# Altium PCB S6.PcbDoc (part 4 of 14) (continued)
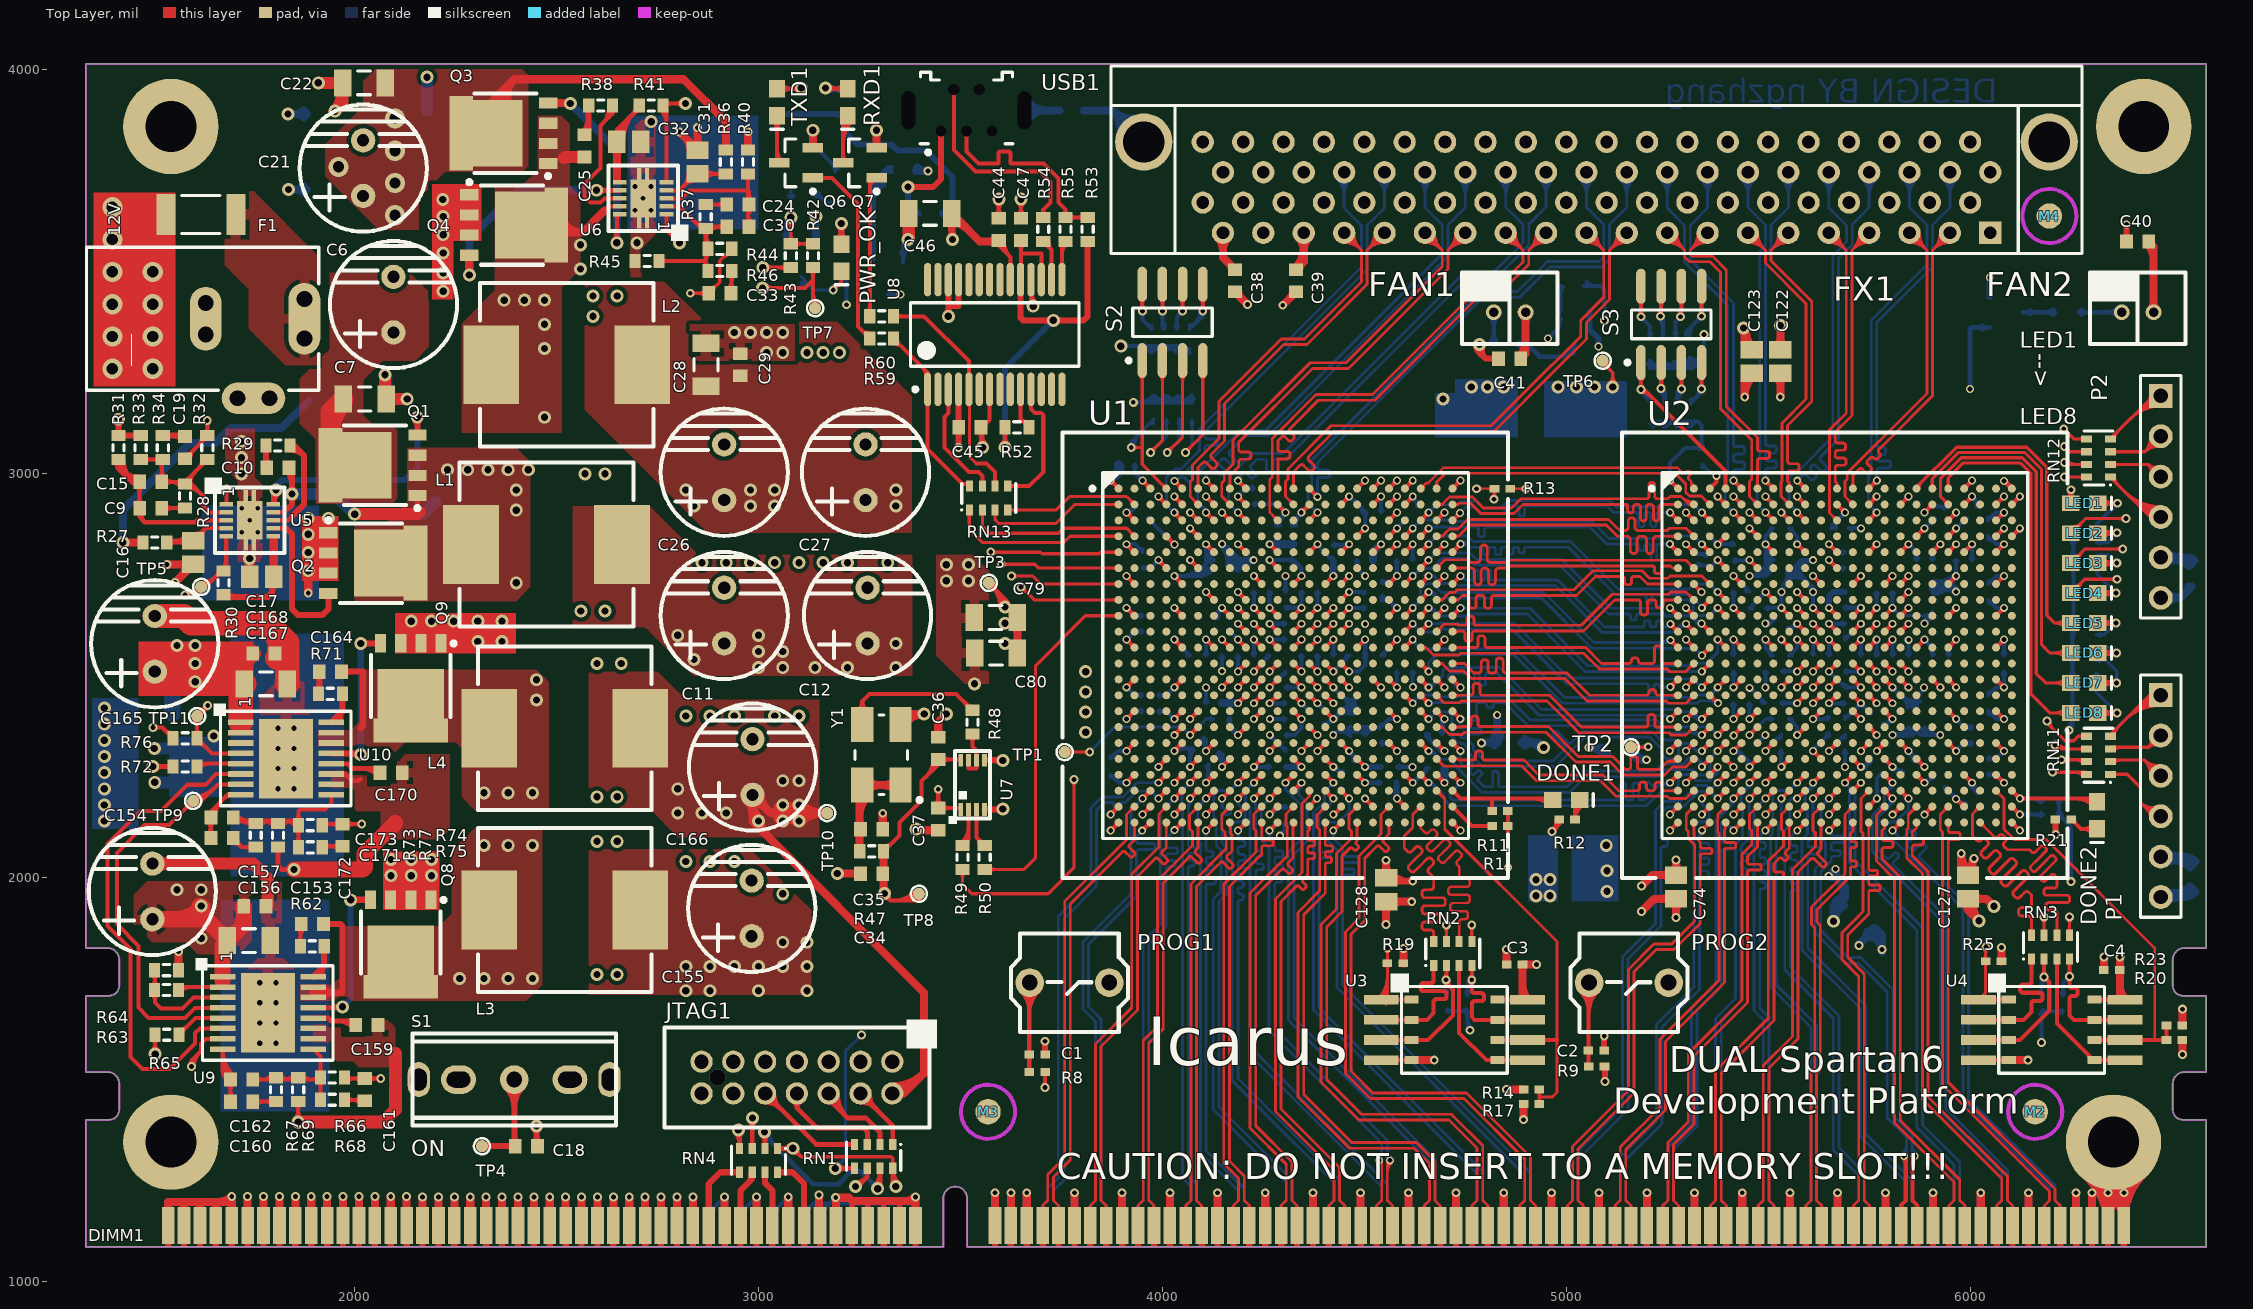
[diagram p0: Top Layer view]
## Nets (pads, with @x,y where several pads share a name; then routed paths per layer and width w, separated by ;. In a path a pad name is that pad's centre, name@x,y a point inside that pad or via, vN(x,y) a via of type N, cw(c..) or ccw(c..) an arc to the next point about the centre after c; other vN are vias at no path point) (continued)
DONE2: DONE2.1 R15.2 U2.Y22 | length 457.5
  Top Layer w10: U2.Y22@6103.39,2210.51 cw(c6103.39,2198.82) 6111.65,2207.09 cw(c6119.92,2215.35) U2.Y22@6108.23,2215.35 ; U2.Y22@6103.39,2215.35 v1(6123.07,2195.67) DONE2.1@6314,2195.67 ; v1@6118.23,2195.67 ccw(c6106.54,2195.67) 6114.81,2203.94 ccw(c6123.07,2212.2) v1@6123.07,2200.51 ; v1@6126.5,2192.24 cw(c6134.76,2183.98) 6134.76,2195.67 cw(c6134.76,2207.36) v1@6126.5,2199.09 ; 6263.49,2195.67 cw(c6263.49,2138.93) DONE2.1@6303.62,2179.05 ; 6287.64,2195.67 cw(c6287.64,2163.07) DONE2.1@6310.69,2186.12 ; 6293.6,2195.67 ccw(c6293.6,2209.83) DONE2.1@6303.62,2199.82
  Bottom Layer w10: v1(6123.07,2195.67) 6174.65,2195.67 R15.2@6180.31,2190 ; v1@6126.5,2192.24 cw(c6134.76,2183.98) 6134.76,2195.67 cw(c6134.76,2207.36) v1@6126.5,2199.09 ; 6152.97,2195.67 cw(c6152.97,2164.62) R15.2@6174.92,2186.58
FANEN: Q11.3 Q12.1 Q13.1 R81.2 | length 3385
  Mid-Layer 3 w10: v1(3351.34,3443.66) 3623.66,3443.66 3640,3460 4115,3460 4239.53,3335.47 4763.7,3335.47 4774.23,3346 4795.77,3346 4806.3,3335.47 5099.17,3335.47 5184.64,3250 5980,3250 6000,3230 v1(6000,3210) ; v1@3354.76,3440.24 cw(c3363.03,3431.97) 3363.03,3443.66 cw(c3363.03,3455.35) v1@3354.76,3447.09 ; 4941.79,3335.47 cw(c4941.79,3321.79) v7@4951.46,3331.46 ; 4944.07,3335.47 ccw(c4944.07,3345.93) v7@4951.46,3338.54 ; v7@4958.54,3331.46 cw(c4968.21,3321.79) 4968.21,3335.47 ; v7@4958.54,3338.54 ccw(c4965.93,3345.93) 4965.93,3335.47 ; v1@5996.58,3213.42 ccw(c5988.31,3221.69) 6000,3221.69 ccw(c6011.69,3221.69) v1@6003.42,3213.42
  Bottom Layer w10: Q11.3@3320,3443.66 v1(3351.34,3443.66) ; Q11.3@3324.82,3438.85 cw(c3336.44,3427.22) 3336.44,3443.66 cw(c3336.44,3460.1) Q11.3@3324.82,3448.48 ; v1@3347.91,3440.24 ccw(c3339.65,3431.97) 3339.65,3443.66 ccw(c3339.65,3455.35) v1@3347.91,3447.09 ; v7(4955,3335) 4982.6,3362.6 Q12.1@4982.6,3401.34 ; v7@4955,3340 ccw(c4955,3352.07) 4963.54,3343.54 ccw(c4972.07,3335) v7@4960,3335 ; Q12.1@4977.78,3382.74 cw(c4966.16,3371.12) 4982.6,3371.12 cw(c4999.04,3371.12) Q12.1@4987.41,3382.74 ; Q12.1@4977.78,3419.93 ccw(c4959.22,3438.5) 4985.47,3438.5 ; R81.2@4979.26,3462.86 cw(c4964.28,3447.87) 4985.47,3447.87 cw(c5006.67,3447.87) R81.2@4991.68,3462.86 ; Q12.1@4985.47,3404.21 R81.2@4985.47,3465
  Bottom Layer w12: v1(6000,3210) 6000,3360 ; 6002.6,3362.6 Q13.1@6048.66,3362.6 ; Q13.1@6030.77,3358.49 ccw(c6020.85,3348.57) 6020.85,3362.6 ccw(c6020.85,3376.63) Q13.1@6030.77,3366.71
FPGA1_B1_1: RN12.5 U1.E1 | length 3386.3
  Top Layer w8: v3(3575,2806) 3698,2806 3702,2802 3843.09,2802 3847,2805.91 U1.E1@3891.61,2805.91 ; v3@3579.95,2801.05 cw(c3591.9,2789.1) 3591.9,2806 cw(c3591.9,2822.9) v3@3579.95,2810.95 ; U1.E1@3887.48,2801.77 ccw(c3877.51,2791.8) 3877.51,2805.91 ccw(c3877.51,2820.01) U1.E1@3887.48,2810.04 ; v3@6232,3104 cw(c6232,3087.1) 6243.95,3099.05 cw(c6255.9,3111) v3@6239,3111 ; v3(6232,3111) 6256.76,3086.24 RN12.5@6288.47,3086.24 ; RN12.5@6280.12,3082.81 ccw(c6271.82,3074.52) 6271.82,3086.24 ccw(c6271.82,3097.97) RN12.5@6280.12,3089.68
  Mid-Layer 3 w8: v3@3570.05,2810.95 ccw(c3558.1,2822.9) 3575,2822.9 ccw(c3591.9,2822.9) v3@3579.95,2810.95 ; v3(3575,2806) 3575,2864 3865,3154 ; 3865,3153 6189,3153 ; 6189,3154 v3(6232,3111) ; v3@6225,3111 ccw(c6208.1,3111) 6220.05,3122.95 ccw(c6232,3134.9) v3@6232,3118
FPGA1_B1_1_N: U1.B22 U2.B1 | length 794.7
  Top Layer w7: U1.B22@4718.39,2924.02 4732,2924.02 ; U1.B22@4723.24,2919.94 cw(c4732,2912.58) 4732,2924.02 ; U1.B22@4723.24,2928.1 ccw(c4732,2935.45) 4732,2924.02 ; U2.B1@5272.13,2919.53 ccw(c5261.3,2908.7) 5261.3,2924.02 ccw(c5261.3,2939.33) U2.B1@5272.13,2928.5 ; U2.B1@5276.61,2924.02 5237,2924.02 ccw(c5237,2917.02) 5230,2917.02 5230,2890.02 cw(c5223,2890.02) 5223,2883.02 cw(c5223,2890.02) 5216,2890.02 5216,2917.02 ccw(c5209,2917.02) 5209,2924.02 5205,2924.02 ccw(c5205,2917.02) 5198,2917.02 5198,2890.02 cw(c5191,2890.02) 5191,2883.02 cw(c5191,2890.02) 5184,2890.02 5184,2917.02 ccw(c5177,2917.02) 5177,2924.02 5173,2924.02 ccw(c5173,2917.02) 5166,2917.02 5166,2910.02 cw(c5159,2910.02) 5159,2903.02 cw(c5159,2910.02) 5152,2910.02 5152,2920.02 ccw(c5148,2920.02) 5148,2924.02 4893.02,2924.02 4871,2902 4870.5,2901.5 4788.7,2901.5 4788.2,2902 4763.1,2927.1 4735.08,2927.1 4732,2924.02
FPGA1_B1_1_P: U1.B21 U2.B2 | length 843.7
  Top Layer w6: U2.B2@5311.43,2924.02 U2.B2@5315.98,2924.02
  Top Layer w7: U1.B21@4679.02,2924.02 4693,2924.02 ; U1.B21@4683.79,2919.84 cw(c4693,2911.77) 4693,2924.02 ; U1.B21@4683.79,2928.19 ccw(c4693,2936.26) 4693,2924.02 ; 5284.67,2943.33 ccw(c5315.98,2974.64) U2.B2@5315.98,2930.36 ; 5296.62,2931.38 ccw(c5315.98,2950.74) U2.B2@5315.98,2923.36 ; U2.B2@5310.74,2920.44 ccw(c5303.98,2915.84) 5303.98,2924.02 ; U2.B2@5310.74,2927.59 cw(c5303.98,2932.2) 5303.98,2924.02 ; U2.B2@5315.98,2924.02 5303.98,2924.02 ; 4693,2924.02 4700.04,2931.06 4700.04,2931.61 4710.79,2942.36 4767.64,2942.36 4794.5,2915.5 4864.7,2915.5 4887.22,2938.02 5198,2938.02 ccw(c5198,2945.02) 5205,2945.02 5205,2972.02 cw(c5212,2972.02) 5212,2979.02 cw(c5212,2972.02) 5219,2972.02 5219,2945.02 ccw(c5226,2945.02) 5226,2938.02 5251,2938.02 5256.98,2944 5284,2944 5303.98,2924.02
FPGA1_B1_2: RN12.6 U1.F1 | length 3355.1
  Top Layer w8: v3(3601,2776) 3684,2776 3693.46,2766.54 U1.F1@3891.61,2766.54 ; v3@3605.95,2771.05 cw(c3617.9,2759.1) 3617.9,2776 cw(c3617.9,2792.9) v3@3605.95,2780.95 ; U1.F1@3887.48,2762.4 ccw(c3877.51,2752.43) 3877.51,2766.54 ccw(c3877.51,2780.64) U1.F1@3887.48,2770.67 ; v3@6233,3061 cw(c6233,3044.1) 6244.95,3056.05 cw(c6256.9,3068) v3@6240,3068 ; v3(6233,3068) 6246.25,3054.75 RN12.6@6288.47,3054.75 ; RN12.6@6280.12,3051.31 ccw(c6271.82,3043.02) 6271.82,3054.75 ccw(c6271.82,3066.48) RN12.6@6280.12,3058.18
  Mid-Layer 3 w8: v3@3596.05,2780.95 ccw(c3584.1,2792.9) 3601,2792.9 ccw(c3617.9,2792.9) v3@3605.95,2780.95 ; v3(3601,2776) 3601,2856.06 3876.94,3132 6169,3132 v3(6233,3068) ; v3@6226,3068 ccw(c6209.1,3068) 6221.05,3079.95 ccw(c6233,3091.9) v3@6233,3075
FPGA1_B1_2_N: U1.A21 U2.B3 | length 793.7
  Top Layer w7: U1.A21@4674.53,2967.87 ccw(c4663.7,2978.7) 4679.02,2978.7 ccw(c4694.33,2978.7) U1.A21@4683.5,2967.87 ; U1.A21@4679.02,2963.39 4679.02,2979.02 4701.41,3001.41 5249.33,3001.41 5269.59,3001.41 5296,2975 5296,2954 5304.96,2945.04 5334.33,2945.04 U2.B3@5355.35,2924.02 ; U2.B3@5349.01,2924.02 ccw(c5333.7,2924.02) 5344.53,2934.84 ccw(c5355.35,2945.67) U2.B3@5355.35,2930.36
FPGA1_B1_2_P: U1.A20 U2.A2 | length 797.1
  Top Layer w6: U1.A20@4639.65,2963.39 4653.26,2977 4657.91,2977 4669.47,2988.56 4695.82,3014.91 5249.33,3014.91 5260,3014.91 5275.18,3014.91 5287.55,3002.55 ccw(c5291.36,3006.36) 5295.18,3002.55 5297.79,3005.15 cw(c5301.6,3001.33) 5305.42,3005.15 5306.27,3004.3 cw(c5302.45,3000.48) 5306.27,2996.66 5303.67,2994.06 ccw(c5307.49,2990.24) 5303.67,2986.42 5304.09,2986 5309.5,2980.59 ; U1.A20@4639.65,2970.23 ccw(c4639.65,2986.75) 4651.33,2975.07 ccw(c4663.01,2963.39) U1.A20@4646.49,2963.39 ; 5309.5,2972.84 ccw(c5318.43,2972.84) U2.A2@5316.19,2964.2 ; U2.A2@5315.98,2963.39 5309.5,2969.87 5309.5,2980.59 ; U2.A2@5317.7,2970.01 cw(c5320.43,2980.59) 5309.5,2980.59
FPGA1_B1_3: RN12.7 U1.G1 | length 3328.3
  Top Layer w8: v3(3626,2747) 3679,2747 3698.83,2727.17 U1.G1@3891.61,2727.17 ; v3@3630.95,2742.05 cw(c3642.9,2730.1) 3642.9,2747 cw(c3642.9,2763.9) v3@3630.95,2751.95 ; U1.G1@3887.48,2723.03 ccw(c3877.51,2713.06) 3877.51,2727.17 ccw(c3877.51,2741.27) U1.G1@3887.48,2731.3 ; v3(6234,3028) 6238.75,3023.25 RN12.7@6288.47,3023.25 ; v3@6238.95,3032.95 ccw(c6262.36,3056.36) 6262.36,3023.25 ; RN12.7@6280.12,3019.82 ccw(c6271.82,3011.52) 6271.82,3023.25 ccw(c6271.82,3034.98) RN12.7@6280.12,3026.69
  Mid-Layer 3 w8: v3@3621.05,2751.95 ccw(c3609.1,2763.9) 3626,2763.9 ccw(c3642.9,2763.9) v3@3630.95,2751.95 ; v3(3626,2747) 3626,2847.12 3889.88,3111 6151,3111 v3(6234,3028) ; v3@6227,3028 ccw(c6210.1,3028) 6222.05,3039.95 ccw(c6234,3051.9) v3@6234,3035
FPGA1_B1_3_N: U1.D20 U2.E1 | length 927
  Top Layer w10: U1.D20@4639.65,2845.28 v1(4659.33,2864.96) ; U1.D20@4639.65,2850.12 ccw(c4639.65,2861.81) 4647.91,2853.54 ccw(c4656.18,2845.28) U1.D20@4644.49,2845.28 ; v1@4654.49,2864.96 cw(c4642.8,2864.96) 4651.06,2856.69 cw(c4659.33,2848.43) v1@4659.33,2860.12 ; v1@5256.52,2821.16 cw(c5256.52,2809.47) 5264.79,2817.73 cw(c5273.05,2826) v1@5261.36,2826 ; v1(5256.52,2826) U2.E1@5276.61,2805.91 ; U2.E1@5271.77,2805.91 ccw(c5260.08,2805.91) 5268.35,2814.17 ccw(c5276.61,2822.44) U2.E1@5276.61,2810.75
  Bottom Layer w7: v1(4659.33,2864.96) 4662.47,2868.1 4711.9,2868.1 4776,2868.1 4778.1,2868.1 cw(c4778.1,2863.2) 4783,2863.2 4783,2848.9 ccw(c4787.9,2848.9) 4787.9,2844 4792.1,2844 ccw(c4792.1,2848.9) 4797,2848.9 4797,2863.2 cw(c4801.9,2863.2) 4801.9,2868.1 4809,2868.1 5058.1,2868.1 5100.2,2826 5160,2826 5175.1,2826 cw(c5175.1,2821.1) 5180,2821.1 5180,2814.98 ccw(c5184.9,2814.98) 5184.9,2810.08 5189.1,2810.08 ccw(c5189.1,2814.98) 5194,2814.98 5194,2821.1 cw(c5198.9,2821.1) 5198.9,2826 5201,2826 5205.1,2826 cw(c5205.1,2821.1) 5210,2821.1 5210,2789.9 ccw(c5214.9,2789.9) 5214.9,2785 5219.1,2785 ccw(c5219.1,2789.9) 5224,2789.9 5224,2821.1 cw(c5228.9,2821.1) 5228.9,2826 5231,2826 5237.34,2826 v1(5256.52,2826) ; v1@4663.82,2860.48 cw(c4682.22,2842.07) 4682.22,2868.1 ; v1@5252.03,2821.52 ccw(c5241.21,2810.69) 5241.21,2826 ccw(c5241.21,2841.31) v1@5252.03,2830.48
FPGA1_B1_3_P: U1.D19 U2.E3 | length 931.4
  Top Layer w10: U1.D19@4600.28,2845.28 v1(4619.96,2864.96) ; U1.D19@4600.28,2850.12 ccw(c4600.28,2861.81) 4608.54,2853.54 ccw(c4616.81,2845.28) U1.D19@4605.12,2845.28 ; v1@4615.12,2864.96 cw(c4603.43,2864.96) 4611.69,2856.69 cw(c4619.96,2848.43) v1@4619.96,2860.12 ; v1@5335.67,2820.75 cw(c5335.67,2809.06) 5343.94,2817.32 cw(c5352.2,2825.59) v1@5340.51,2825.59 ; v1(5335.67,2825.59) U2.E3@5355.35,2805.91 ; U2.E3@5350.51,2805.91 ccw(c5338.82,2805.91) 5347.09,2814.17 ccw(c5355.35,2822.44) U2.E3@5355.35,2810.75
  Bottom Layer w7: v1(4619.96,2864.96) 4640.3,2885.3 4708.7,2885.3 4711.9,2882.1 4801.9,2882.1 4809,2882.1 5063.9,2882.1 5074,2872 5106,2840 5231,2840 5237.34,2846.34 5256.52,2846.34 5314.92,2846.34 v1(5335.67,2825.59) ; v1@4619.96,2871.3 ccw(c4619.96,2886.62) 4630.79,2875.79 ccw(c4641.62,2864.96) v1@4626.3,2864.96 ; v1@5329.33,2825.59 ccw(c5314.01,2825.59) 5324.84,2836.42 ccw(c5335.67,2847.25) v1@5335.67,2831.93
FPGA1_B1_4: RN12.8 U1.H1 | length 3302.8
  Top Layer w8: v3@3650,2713 cw(c3650,2696.1) 3661.95,2708.05 cw(c3673.9,2720) v3@3657,2720 ; v3(3650,2720) 3682.2,2687.8 U1.H1@3891.61,2687.8 ; U1.H1@3887.48,2683.66 ccw(c3877.51,2673.69) 3877.51,2687.8 ccw(c3877.51,2701.9) U1.H1@3887.48,2691.93 ; v3(6234,2992) 6288.23,2992 RN12.8@6288.47,2991.76 ; v3@6238.95,2987.05 cw(c6250.9,2975.1) 6250.9,2992 cw(c6250.9,3008.9) v3@6238.95,2996.95 ; 6271.23,2992 cw(c6271.23,2979.44) RN12.8@6280.12,2988.32 ; 6272.41,2992 ccw(c6272.41,3002.9) RN12.8@6280.12,2995.19
  Mid-Layer 3 w8: v3@3645.05,2724.95 ccw(c3633.1,2736.9) 3650,2736.9 ccw(c3666.9,2736.9) v3@3654.95,2724.95 ; v3(3650,2720) 3650,2837.18 3902.82,3090 6133,3090 6231,2992 v3(6234,2992) ; 6216.93,3006.07 ccw(c6234,3023.14) v3@6234,2999 ; 6224.17,2998.83 cw(c6217.34,2992) v3@6227,2992
FPGA1_B1_4_N: U1.D22 U2.D1 | length 770.5
  Top Layer w7: U1.D22@4718.39,2845.28 4733.28,2845.28 4761,2873 5099.2,2873 5126.93,2845.28 5133,2845.28 5150,2845.28 cw(c5150,2836.78) 5158.5,2836.78 5158.5,2810.78 ccw(c5167,2810.78) 5167,2802.28 ccw(c5167,2810.78) 5175.5,2810.78 5175.5,2836.78 cw(c5184,2836.78) 5184,2845.28 5190,2845.28 cw(c5190,2836.78) 5198.5,2836.78 5198.5,2811.08 ccw(c5207,2811.08) 5207,2802.58 ccw(c5207,2811.08) 5215.5,2811.08 5215.5,2836.78 cw(c5224,2836.78) 5224,2845.28 U2.D1@5276.61,2845.28 ; U1.D22@4722.96,2840.88 cw(c4733.27,2830.97) 4733.27,2845.28 cw(c4733.27,2859.58) U1.D22@4722.96,2849.67 ; U2.D1@5272.13,2840.79 ccw(c5261.3,2829.96) 5261.3,2845.28 ccw(c5261.3,2860.59) U2.D1@5272.13,2849.76
FPGA1_B1_4_P: U1.D21 U2.D2 | length 770.7
  Top Layer w7: U1.D21@4679.02,2845.28 4693,2845.28 ; U1.D21@4683.79,2841.1 cw(c4693,2833.03) 4693,2845.28 ; U1.D21@4683.79,2849.45 ccw(c4693,2857.52) 4693,2845.28 ; U2.D2@5309.64,2845.28 ccw(c5294.33,2845.28) 5305.16,2856.1 ccw(c5315.98,2866.93) U2.D2@5315.98,2851.62 ; U2.D2@5315.98,2845.28 5296.26,2865 5255.72,2865 5250,2859.28 5179,2859.28 cw(c5179,2867.78) 5170.5,2867.78 5170.5,2882.68 ccw(c5162,2882.68) 5162,2891.18 ccw(c5162,2882.68) 5153.5,2882.68 5153.5,2867.78 cw(c5145,2867.78) 5145,2859.28 5136.5,2859.28 5132.72,2859.28 5121,2871 5105,2887 4755.2,2887 4739.2,2871 4731.82,2863.62 4710.79,2863.62 4700.04,2852.87 4700.04,2852.32 4693,2845.28
FPGA1_B1_5_N: U1.C22 U2.C1 | length 887.6
  Top Layer w10: U1.C22@4718.39,2884.65 v1(4736.74,2903) ; U1.C22@4718.39,2889.49 ccw(c4718.39,2901.18) 4726.65,2892.91 ccw(c4734.92,2884.65) U1.C22@4723.23,2884.65 ; v1@4731.9,2903 cw(c4720.21,2903) 4728.47,2894.73 cw(c4736.74,2886.47) v1@4736.74,2898.16 ; v1@5257.26,2899.16 cw(c5257.26,2887.47) 5265.53,2895.73 cw(c5273.79,2904) v1@5262.1,2904 ; v1(5257.26,2904) U2.C1@5276.61,2884.65 ; U2.C1@5271.77,2884.65 ccw(c5260.08,2884.65) 5268.35,2892.91 ccw(c5276.61,2901.18) U2.C1@5276.61,2889.49
  Bottom Layer w7: v1(4736.74,2903) 4751.74,2918 4773.2,2918 4790.2,2901 4842.8,2901 4861.9,2920.1 4868.9,2920.1 4878,2920.1 cw(c4878,2915.2) 4882.9,2915.2 4882.9,2900.22 ccw(c4887.8,2900.22) 4887.8,2895.32 4892,2895.32 ccw(c4892,2900.22) 4896.9,2900.22 4896.9,2915.2 cw(c4901.8,2915.2) 4901.8,2920.1 4932,2920.1 5100.9,2920.1 5117,2904 5174.1,2904 cw(c5174.1,2899.1) 5179,2899.1 5179,2873.9 ccw(c5183.9,2873.9) 5183.9,2869 5188.1,2869 ccw(c5188.1,2873.9) 5193,2873.9 5193,2899.1 cw(c5197.9,2899.1) 5197.9,2904 5204.1,2904 cw(c5204.1,2899.1) 5209,2899.1 5209,2873.9 ccw(c5213.9,2873.9) 5213.9,2869 5218.1,2869 ccw(c5218.1,2873.9) 5223,2873.9 5223,2899.1 cw(c5227.9,2899.1) 5227.9,2904 v1(5257.26,2904) ; v1@4736.74,2909.34 ccw(c4736.74,2924.65) 4747.57,2913.83 ccw(c4758.39,2903) v1@4743.08,2903 ; v1@5252.78,2899.52 ccw(c5241.95,2888.69) 5241.95,2904 ccw(c5241.95,2919.31) v1@5252.78,2908.48
FPGA1_B1_5_P: U1.C20 U2.C3 | length 897.6
  Top Layer w10: U1.C20@4639.65,2884.65 v1(4659.33,2904.33) ; U1.C20@4639.65,2889.49 ccw(c4639.65,2901.18) 4647.91,2892.91 ccw(c4656.18,2884.65) U1.C20@4644.49,2884.65 ; v1@4654.49,2904.33 cw(c4642.8,2904.33) 4651.06,2896.06 cw(c4659.33,2887.8) v1@4659.33,2899.49 ; v1@5335.67,2899.49 cw(c5335.67,2887.8) 5343.94,2896.06 cw(c5352.2,2904.33) v1@5340.51,2904.33 ; v1(5335.67,2904.33) U2.C3@5355.35,2884.65 ; U2.C3@5350.51,2884.65 ccw(c5338.82,2884.65) 5347.09,2892.91 ccw(c5355.35,2901.18) U2.C3@5355.35,2889.49
  Bottom Layer w7: v1(4659.33,2904.33) 4678.34,2923.34 4730.34,2923.34 4739,2932 4779,2932 4796,2915 4837,2915 4852,2930 4856.1,2934.1 4901.8,2934.1 4932,2934.1 5106.7,2934.1 5110.8,2930 5122.8,2918 5174.1,2918 5230,2918 5236.34,2924.34 5315.66,2924.34 v1(5335.67,2904.33) ; v1@4659.33,2910.67 ccw(c4659.33,2925.99) 4670.16,2915.16 ccw(c4680.99,2904.33) v1@4665.67,2904.33 ; v1@5329.33,2904.33 ccw(c5314.01,2904.33) 5324.84,2915.16 ccw(c5335.67,2925.99) v1@5335.67,2910.67
FPGA1_B1_6_N: U1.F20 U2.J4 | length 999.7
  Top Layer w10: U1.F20@4639.65,2766.54 v1@4659.33,2786.22 ; U1.F20@4639.65,2771.38 ccw(c4639.65,2783.07) 4647.91,2774.8 ccw(c4656.18,2766.54) U1.F20@4644.49,2766.54 ; 4650.66,2777.55 ccw(c4642.2,2786) v1@4654.16,2786 ; 4650.92,2777.81 cw(c4659,2769.73) v1@4659,2781.16 ; v1@5375.04,2663.27 cw(c5375.04,2651.58) 5383.31,2659.84 cw(c5391.57,2668.11) v1@5379.88,2668.11 ; v1(5375.04,2668.11) U2.J4@5394.72,2648.43 ; U2.J4@5389.88,2648.43 ccw(c5378.19,2648.43) 5386.46,2656.69 ccw(c5394.72,2664.96) U2.J4@5394.72,2653.27
  Bottom Layer w7: v1(4659,2786) 4677,2804 4762,2804 4778,2788 4989,2788 5110,2667 5226,2667 5247,2688 5302.35,2688 5314.64,2675.71 5314.64,2659.16 5324.46,2649.34 5356.27,2649.34 v1(5375.04,2668.11) ; v1@4659,2792.34 ccw(c4659,2807.65) 4669.83,2796.83 ccw(c4680.65,2786) v1@4665.34,2786 ; v1@5368.7,2668.11 cw(c5353.38,2668.11) 5364.21,2657.28 cw(c5375.04,2646.46) v1@5375.04,2661.77
FPGA1_B1_6_P: U1.G19 U2.K3 | length 1032.8
  Top Layer w10: U1.G19@4600.28,2727.17 v1(4619.96,2746.85) ; U1.G19@4600.28,2732.01 ccw(c4600.28,2743.7) 4608.54,2735.43 ccw(c4616.81,2727.17) U1.G19@4605.12,2727.17 ; v1@4615.12,2746.85 cw(c4603.43,2746.85) 4611.69,2738.58 cw(c4619.96,2730.32) v1@4619.96,2742.01 ; v1@5335,2624.16 cw(c5335,2611.48) 5343.97,2620.44 ; v1(5335,2629) 5335.41,2629 U2.K3@5355.35,2609.06 ; v1@5339.84,2629 ccw(c5350.54,2629) 5342.98,2621.43 ; U2.K3@5350.51,2609.06 ccw(c5338.82,2609.06) 5347.09,2617.32 ccw(c5355.35,2625.59) U2.K3@5355.35,2613.9
  Bottom Layer w7: v1(4619.96,2746.85) 4638.77,2765.66 4667.43,2765.66 4691.77,2790 4756.2,2790 4772.2,2774 4983.2,2774 5088.2,2669 5104.2,2653 5142,2653 5154.1,2653 cw(c5154.1,2648.1) 5159,2648.1 5159,2642.72 ccw(c5163.9,2642.72) 5163.9,2637.82 5168.1,2637.82 ccw(c5168.1,2642.72) 5173,2642.72 5173,2648.1 cw(c5177.9,2648.1) 5177.9,2653 ; v1@4619.96,2753.19 ccw(c4619.96,2768.51) 4630.79,2757.68 ccw(c4641.62,2746.85) v1@4626.3,2746.85 ; 5180,2653 5240,2653 5245,2648 5306,2648 5325,2629 ; 5307.1,2646.9 ccw(c5335,2674.8) v1@5335,2635.34 ; 5319.05,2634.95 ccw(c5335,2650.9) v1@5335,2628.34 ; v1@5329.26,2626.3 ccw(c5325,2624.29) 5325,2629 ; v1@5329.26,2631.7 cw(c5325,2633.71) 5325,2629 ; v1(5335,2629) 5325,2629
FPGA1_B1_7_N: U1.E22 U2.H3 | length 998.4
  Top Layer w10: U1.E22@4718.39,2805.91 v1(4738.48,2826) ; U1.E22@4718.39,2810.75 ccw(c4718.39,2822.44) 4726.65,2814.17 ccw(c4734.92,2805.91) U1.E22@4723.23,2805.91 ; v1@4733.64,2826 cw(c4721.95,2826) 4730.21,2817.73 cw(c4738.48,2809.47) v1@4738.48,2821.16 ; v1(5335.67,2668.11) U2.H3@5355.35,2687.8 ; v1@5335.67,2672.95 ccw(c5335.67,2684.64) 5343.94,2676.38 ccw(c5352.2,2668.11) v1@5340.51,2668.11 ; U2.H3@5350.51,2687.8 cw(c5338.82,2687.8) 5347.09,2679.53 cw(c5355.35,2671.26) U2.H3@5355.35,2682.95
  Bottom Layer w7: v1@4734.5,2832.54 cw(c4741.32,2821.33) 4750.59,2830.61 ; v1@4738.14,2826.56 cw(c4746.08,2813.49) 4756.9,2824.3 ; v1(4738.48,2826) 4744.48,2832 4749.2,2832 4763.2,2818 ; v1@4741.77,2820.58 cw(c4750.84,2805.64) 4763.2,2818 ; v1(5335.67,2668.11) 5335.67,2671.65 5306.32,2701 5216.9,2701 ccw(c5216.9,2696.1) 5212,2696.1 5212,2683.9 cw(c5207.1,2683.9) 5207.1,2679 5202.9,2679 cw(c5202.9,2683.9) 5198,2683.9 5198,2696.1 ccw(c5193.1,2696.1) 5193.1,2701 5122.2,2701 5005.2,2818 4924,2818 4900.9,2818 ccw(c4900.9,2813.1) 4896,2813.1 4896,2808.9 cw(c4891.1,2808.9) 4891.1,2804 4886.9,2804 cw(c4886.9,2808.9) 4882,2808.9 4882,2813.1 ccw(c4877.1,2813.1) 4877.1,2818 4875,2818 4872.9,2818 ccw(c4872.9,2813.1) 4868,2813.1 4868,2804.9 cw(c4863.1,2804.9) 4863.1,2800 4858.9,2800 cw(c4858.9,2804.9) 4854,2804.9 4854,2813.1 ccw(c4849.1,2813.1) 4849.1,2818 4847,2818 4842.9,2818 ccw(c4842.9,2813.1) 4838,2813.1 4838,2804.9 cw(c4833.1,2804.9) 4833.1,2800 4828.9,2800 cw(c4828.9,2804.9) 4824,2804.9 4824,2813.1 ccw(c4819.1,2813.1) 4819.1,2818 4817,2818 4812.9,2818 ccw(c4812.9,2813.1) 4808,2813.1 4808,2804.9 cw(c4803.1,2804.9) 4803.1,2800 4798.9,2800 cw(c4798.9,2804.9) 4794,2804.9 4794,2813.1 ccw(c4789.1,2813.1) 4789.1,2818 4787,2818 4763.2,2818
FPGA1_B1_7_P: U1.E20 U2.H4 | length 977
  Top Layer w10: U1.E20@4639.65,2805.91 v1(4659.33,2825.59) ; U1.E20@4639.65,2810.75 ccw(c4639.65,2822.44) 4647.91,2814.17 ccw(c4656.18,2805.91) U1.E20@4644.49,2805.91 ; v1@4654.49,2825.59 cw(c4642.8,2825.59) 4651.06,2817.32 cw(c4659.33,2809.06) v1@4659.33,2820.75 ; v1@5375.04,2702.64 cw(c5375.04,2690.95) 5383.31,2699.21 cw(c5391.57,2707.48) v1@5379.88,2707.48 ; v1(5375.04,2707.48) U2.H4@5394.72,2687.8 ; U2.H4@5389.88,2687.8 ccw(c5378.19,2687.8) 5386.46,2696.06 ccw(c5394.72,2704.33) U2.H4@5394.72,2692.64
  Bottom Layer w7: v1(4659.33,2825.59) 4680.08,2846.34 4754.66,2846.34 4755,2846 ; v1@4659.33,2831.93 ccw(c4659.33,2847.25) 4670.16,2836.42 ccw(c4680.99,2825.59) v1@4665.67,2825.59 ; 4747,2846 4755,2846 ; v1@5368.7,2707.48 ccw(c5353.38,2707.48) 5364.21,2718.31 ccw(c5375.04,2729.13) v1@5375.04,2713.82 ; v1(5375.04,2707.48) 5355.52,2727 5316,2727 5304,2715 5128,2715 5023,2820 5011,2832 4803.1,2832 4798.9,2832 4769,2832 4755,2846
FPGA1_B1_8_N: U1.F22 U2.F1 | length 772.6
  Top Layer w7: U1.F22@4718.39,2766.54 4764,2766.54 cw(c4764,2758.04) 4772.5,2758.04 4772.5,2733.5 ccw(c4781,2733.5) 4781,2725 ccw(c4781,2733.5) 4789.5,2733.5 4789.5,2758.04 cw(c4798,2758.04) 4798,2766.54 4799,2766.54 cw(c4799,2758.04) 4807.5,2758.04 4807.5,2733.5 ccw(c4816,2733.5) 4816,2725 ccw(c4816,2733.5) 4824.5,2733.5 4824.5,2758.04 cw(c4833,2758.04) 4833,2766.54 4856.8,2766.54 4862.26,2772 5203,2772 5213.4,2772 cw(c5213.4,2766.9) 5218.5,2766.9 5218.5,2758.26 ccw(c5223.6,2758.26) 5223.6,2753.16 5230.4,2753.16 ccw(c5230.4,2758.26) 5235.5,2758.26 5235.5,2766.9 cw(c5240.6,2766.9) 5240.6,2772 5244,2772 5257.54,2772 5263,2766.54 ; U1.F22@4722.87,2762.05 cw(c4733.7,2751.22) 4733.7,2766.54 cw(c4733.7,2781.85) U1.F22@4722.87,2771.02 ; U2.F1@5271.76,2762.46 ccw(c5263,2755.1) 5263,2766.54 ; U2.F1@5271.76,2770.62 cw(c5263,2777.97) 5263,2766.54 ; U2.F1@5276.61,2766.54 5263,2766.54
FPGA1_B1_8_P: U1.F21 U2.F2 | length 778.4
  Top Layer w7: U1.F21@4679.02,2766.54 4699.48,2787 4756.54,2787 4763,2780.54 4779,2780.54 ccw(c4779,2789.04) 4787.5,2789.04 4787.5,2815.04 cw(c4796,2815.04) 4796,2823.54 cw(c4796,2815.04) 4804.5,2815.04 4804.5,2788.04 ccw(c4812,2788.04) 4812,2780.54 4851,2780.54 4856.46,2786 5296.52,2786 U2.F2@5315.98,2766.54 ; U1.F21@4679.02,2772.88 ccw(c4679.02,2788.19) 4689.84,2777.36 ccw(c4700.67,2766.54) U1.F21@4685.36,2766.54 ; U2.F2@5309.64,2766.54 ccw(c5294.33,2766.54) 5305.16,2777.36 ccw(c5315.98,2788.19) U2.F2@5315.98,2772.88
FPGA1_B1_9_N: U1.J19 U2.L1 | length 937
  Top Layer w10: U1.J19@4600.28,2648.43 v1(4619.96,2668.11) ; U1.J19@4600.28,2653.27 ccw(c4600.28,2664.96) 4608.54,2656.69 ccw(c4616.81,2648.43) U1.J19@4605.12,2648.43 ; v1@4615.12,2668.11 cw(c4603.43,2668.11) 4611.69,2659.84 cw(c4619.96,2651.58) v1@4619.96,2663.27 ; v1@5258.3,2583.16 cw(c5258.3,2571.47) 5266.57,2579.73 cw(c5274.83,2588) v1@5263.14,2588 ; v1(5258.3,2588) U2.L1@5276.61,2569.69 ; U2.L1@5271.77,2569.69 ccw(c5260.08,2569.69) 5268.35,2577.95 ccw(c5276.61,2586.22) U2.L1@5276.61,2574.53
  Bottom Layer w7: v1(4619.96,2668.11) 4638.99,2687.14 4638.99,2715.91 4650.9,2727.82 4669.18,2727.82 4691,2706 4945,2706 5069,2582 5252.3,2582 v1(5258.3,2588) ; v1@4619.96,2674.45 ccw(c4619.96,2689.76) 4630.79,2678.94 ccw(c4641.62,2668.11) v1@4626.3,2668.11 ; 5228.5,2582 ccw(c5228.5,2617.8) v1@5253.81,2592.48 ; 5245.4,2582 ccw(c5245.4,2600.9) v1@5258.76,2587.54
FPGA1_B1_9_P: U1.H20 U2.L3 | length 951.3
  Top Layer w10: U1.H20@4639.65,2687.8 v1(4659.33,2707.48) ; U1.H20@4639.65,2692.64 ccw(c4639.65,2704.33) 4647.91,2696.06 ccw(c4656.18,2687.8) U1.H20@4644.49,2687.8 ; v1@4654.49,2707.48 cw(c4642.8,2707.48) 4651.06,2699.21 cw(c4659.33,2690.95) v1@4659.33,2702.64 ; v1(5336,2550) 5355.35,2569.35 U2.L3@5355.35,2569.69 ; v1@5336,2554.84 ccw(c5336,2566.53) 5344.27,2558.27 ccw(c5352.53,2550) v1@5340.84,2550 ; 5346.85,2560.85 ccw(c5338.02,2569.69) U2.L3@5350.51,2569.69 ; 5347.65,2561.65 cw(c5355.35,2553.95) U2.L3@5355.35,2564.84
  Bottom Layer w7: v1@4659.27,2708.14 cw(c4661.01,2688.95) 4674.63,2702.57 ; v1(4659.33,2707.48) 4669.72,2707.48 ; v1@4659.9,2701.16 cw(c4662.77,2669.57) 4685.2,2692 ; v1@4664.97,2704.58 cw(c4669.72,2702.14) 4669.72,2707.48 ; v1@4664.97,2710.38 ccw(c4669.72,2712.82) 4669.72,2707.48 ; v1@5329.66,2550 ccw(c5314.35,2550) 5325.17,2560.83 ccw(c5336,2571.65) v1@5336,2556.34 ; v1(5336,2550) 5318.34,2567.66 5245.34,2567.66 5245,2568 5063.2,2568 5057.2,2574 4939.2,2692 4685.2,2692 ; 4669.72,2707.48 4685.2,2692
FPGA1_B1_10_N: U1.G22 U2.K1 | length 863
  Top Layer w10: U1.G22@4718.39,2727.17 v1(4738.22,2747) ; U1.G22@4718.39,2732.01 ccw(c4718.39,2743.7) 4726.65,2735.43 ccw(c4734.92,2727.17) U1.G22@4723.23,2727.17 ; v1@4733.38,2747 cw(c4721.69,2747) 4729.95,2738.73 cw(c4738.22,2730.47) v1@4738.22,2742.16 ; v1@5257.67,2623.16 cw(c5257.67,2611.47) 5265.94,2619.73 cw(c5274.2,2628) v1@5262.51,2628 ; v1(5257.67,2628) U2.K1@5276.61,2609.06 ; U2.K1@5271.77,2609.06 ccw(c5260.08,2609.06) 5268.35,2617.32 ccw(c5276.61,2625.59) U2.K1@5276.61,2613.9
  Bottom Layer w7: v1(4738.22,2747) 4748.22,2737 ; v1@4738.59,2740.67 cw(c4739.31,2728.1) 4748.22,2737 ; v1@4744.55,2746.63 ccw(c4757.13,2745.91) 4748.22,2737 ; v1@5251.33,2628.15 cw(c5244,2628.33) 5244,2621 ; v1(5257.67,2628) 5250.67,2621 5244,2621 ; 4748.22,2737 4764.32,2737 ccw(c4764.32,2741.9) 4769.22,2741.9 4769.22,2757.1 cw(c4774.12,2757.1) 4774.12,2762 4778.32,2762 cw(c4778.32,2757.1) 4783.22,2757.1 4783.22,2741.9 ccw(c4788.12,2741.9) 4788.12,2737 4794.1,2737 ccw(c4794.1,2741.9) 4799,2741.9 4799,2757.1 cw(c4803.9,2757.1) 4803.9,2762 4808.1,2762 cw(c4808.1,2757.1) 4813,2757.1 4813,2741.9 ccw(c4817.9,2741.9) 4817.9,2737 4979,2737 5095,2621 5191,2621 ccw(c5191,2623) 5193,2623 5193,2631.1 cw(c5197.9,2631.1) 5197.9,2636 5202.1,2636 cw(c5202.1,2631.1) 5207,2631.1 5207,2625.9 ccw(c5211.9,2625.9) 5211.9,2621 5214,2621 5218.1,2621 ccw(c5218.1,2625.9) 5223,2625.9 5223,2631.1 cw(c5227.9,2631.1) 5227.9,2636 5232.1,2636 cw(c5232.1,2631.1) 5237,2631.1 5237,2625.9 ccw(c5241.9,2625.9) 5241.9,2621 5244,2621
FPGA1_B1_10_P: U1.G20 U2.K2 | length 897.9
  Top Layer w10: U1.G20@4639.65,2727.17 v1(4659.33,2746.85) ; U1.G20@4639.65,2732.01 ccw(c4639.65,2743.7) 4647.91,2735.43 ccw(c4656.18,2727.17) U1.G20@4644.49,2727.17 ; v1@4654.49,2746.85 cw(c4642.8,2746.85) 4651.06,2738.58 cw(c4659.33,2730.32) v1@4659.33,2742.01 ; v1@5296.3,2623.9 cw(c5296.3,2612.21) 5304.57,2620.47 cw(c5312.83,2628.74) v1@5301.14,2628.74 ; v1(5296.3,2628.74) U2.K2@5315.98,2609.06 ; U2.K2@5311.14,2609.06 ccw(c5299.45,2609.06) 5307.72,2617.32 ccw(c5315.98,2625.59) U2.K2@5315.98,2613.9
  Bottom Layer w7: v1(4659.33,2746.85) 4672.76,2746.85 ; v1@4664.23,2742.82 cw(c4672.76,2735.8) 4672.76,2746.85 ; v1@4664.23,2750.88 ccw(c4672.76,2757.9) 4672.76,2746.85 ; 5269.9,2611.46 cw(c5296.3,2585.07) v1@5296.3,2622.4 ; 5281.85,2623.41 cw(c5296.3,2608.96) v1@5296.3,2629.4 ; v1(5296.3,2628.74) 5287.18,2628.74 5266.1,2607.66 5257.13,2607.66 5256.47,2607 5089.2,2607 4973.2,2723 4733.45,2723 4727.94,2728.51 4691.1,2728.51 4672.76,2746.85